# KiCad board GPDI_ULX3S_panel.kicad_pcb (continued)
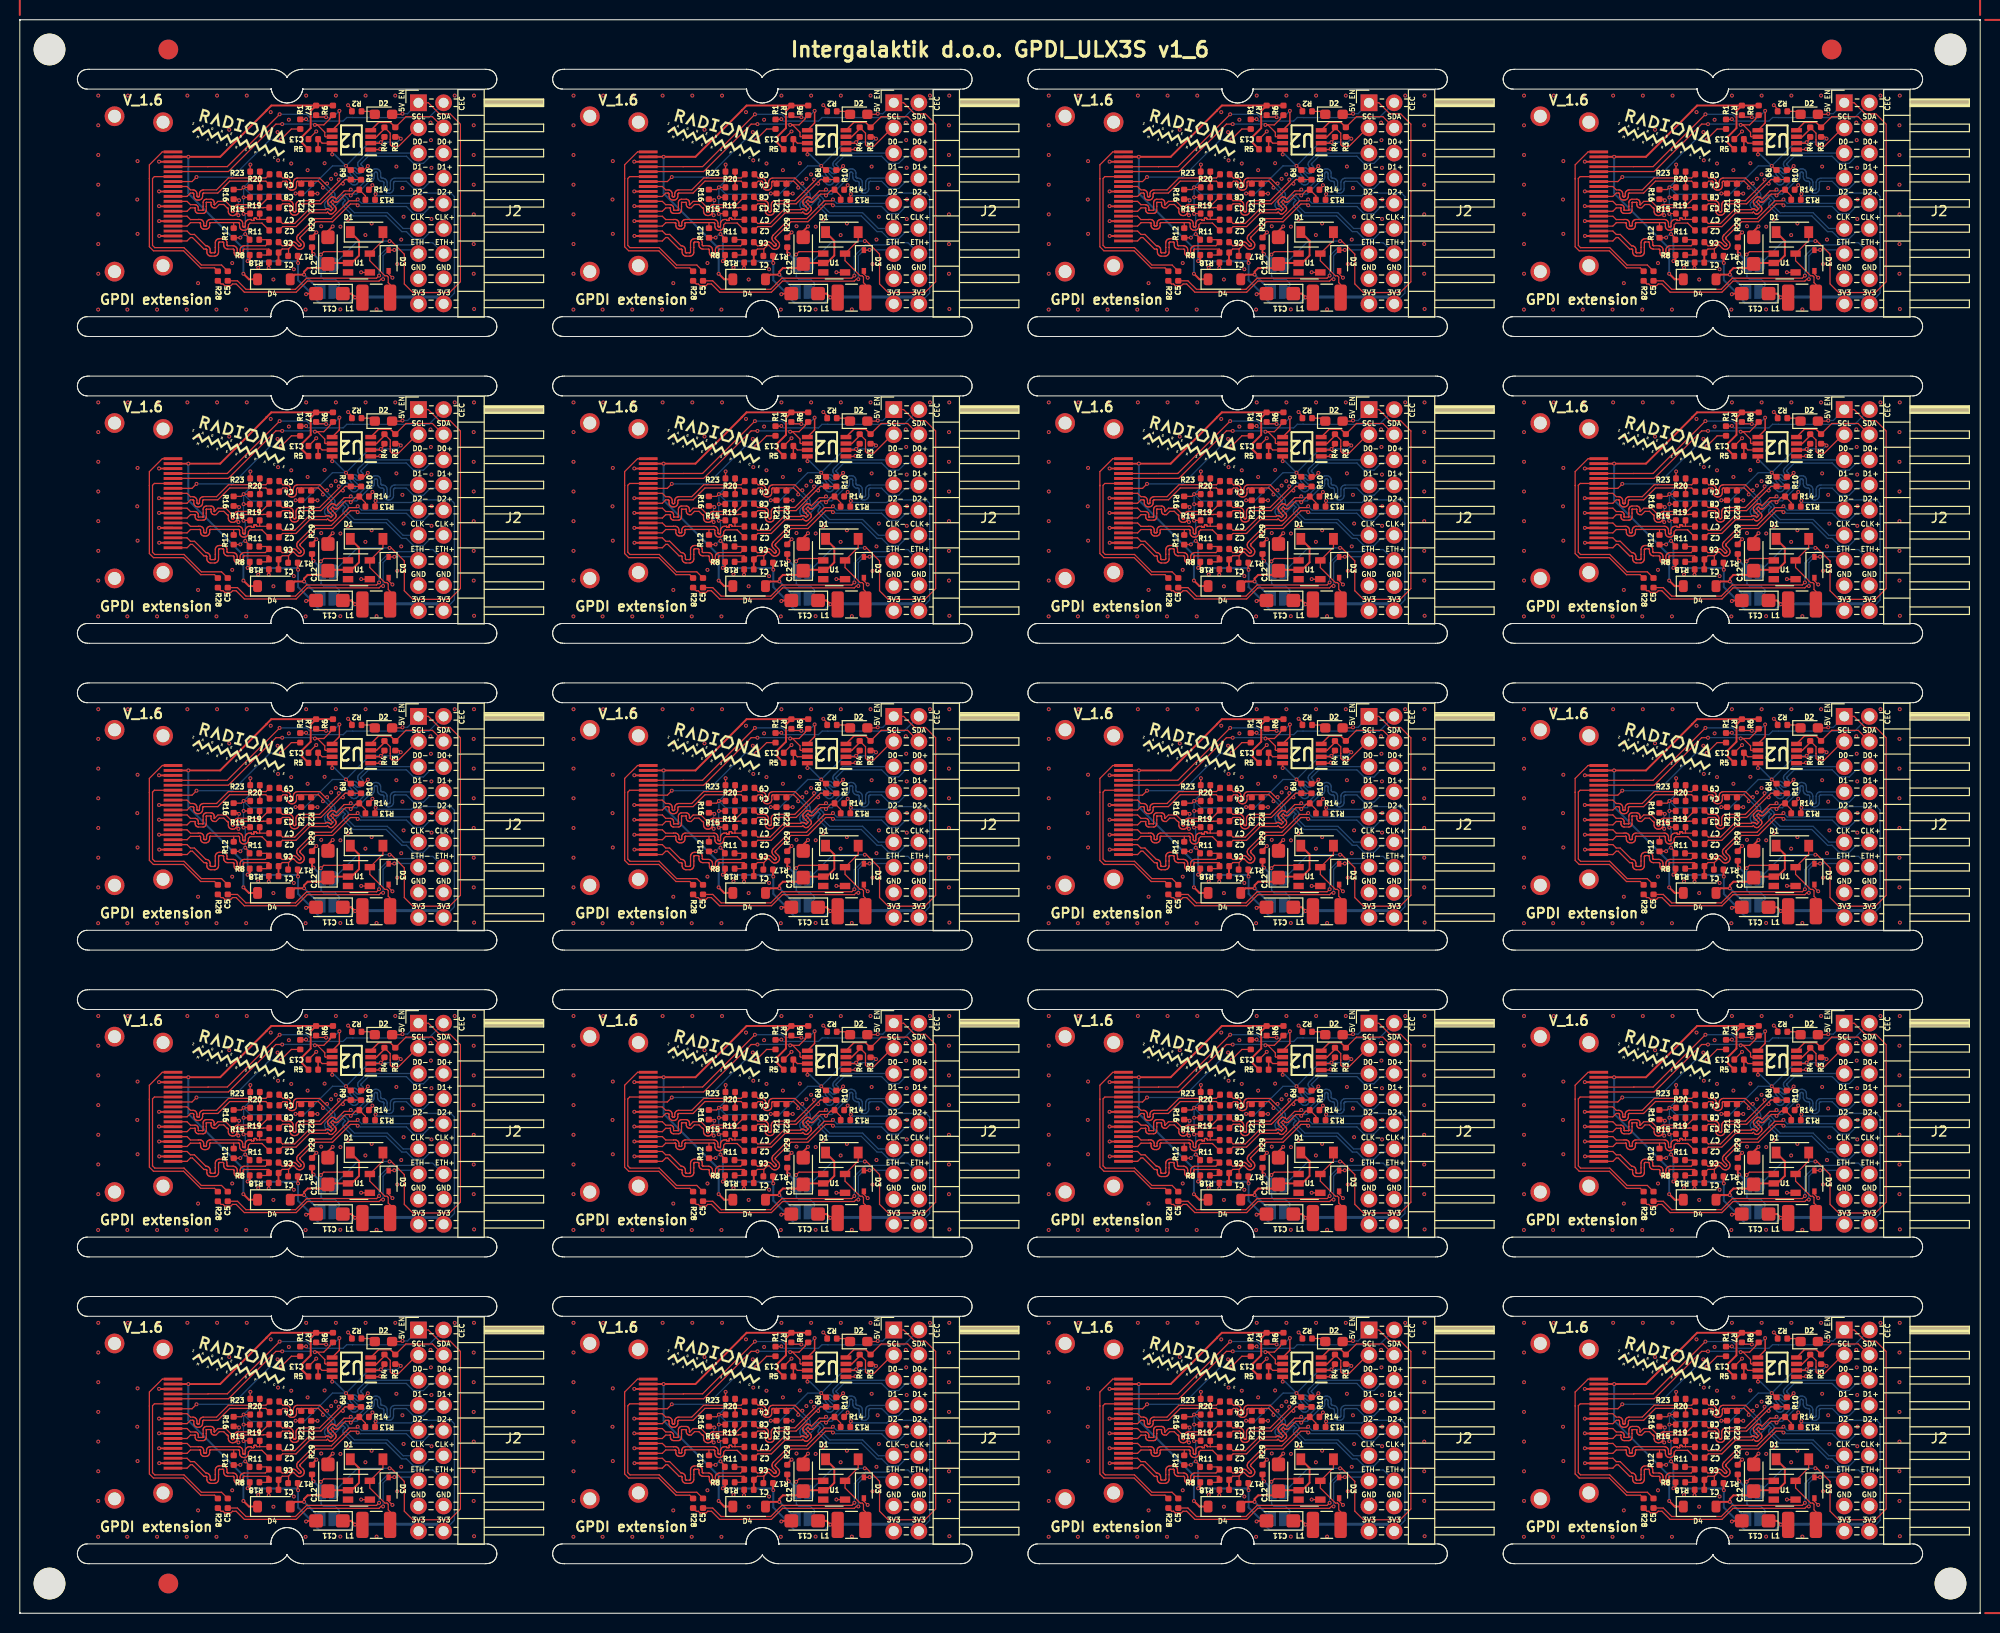
[diagram p0: board, top side]
## Placement (name value [footprint] x y rotation side) (continued)
G***#3  LOGO  [radiona-10mm]  166.29 118.45 345 top
G***#4  LOGO  [radiona-10mm]  118.29 56.45 345 top
G***#5  LOGO  [radiona-10mm]  118.29 118.45 345 top
G***#6  LOGO  [radiona-10mm]  22.29 149.45 345 top
G***#7  LOGO  [radiona-10mm]  70.29 56.45 345 top
G***#8  LOGO  [radiona-10mm]  22.29 25.45 345 top
G***#9  LOGO  [radiona-10mm]  70.29 25.45 345 top
G***#10  LOGO  [radiona-10mm]  166.29 87.45 345 top
G***#11  LOGO  [radiona-10mm]  22.29 87.45 345 top
G***#12  LOGO  [radiona-10mm]  118.29 87.45 345 top
G***#13  LOGO  [radiona-10mm]  22.29 56.45 345 top
G***#14  LOGO  [radiona-10mm]  70.29 87.45 345 top
G***#15  LOGO  [radiona-10mm]  166.29 149.45 345 top
G***#16  LOGO  [radiona-10mm]  118.29 25.45 345 top
G***#17  LOGO  [radiona-10mm]  70.29 118.45 345 top
G***#18  LOGO  [radiona-10mm]  22.29 118.45 345 top
G***#19  LOGO  [radiona-10mm]  118.29 149.45 345 top
G***#20  LOGO  [radiona-10mm]  166.29 25.45 345 top
G***#21  LOGO  [radiona-10mm]  60.29 143.12 255 bottom
G***#22  LOGO  [intergalaktik]  68.18 102.93 0 bottom
G***#23  LOGO  [radiona-10mm]  60.29 50.12 255 bottom
G***#24  LOGO  [OSH_10x10]  177.51 146.34 300 bottom
G***#25  LOGO  [OSH_10x10]  81.51 22.34 300 bottom
G***#26  LOGO  [radiona-10mm]  12.29 143.12 255 bottom
G***#27  LOGO  [intergalaktik]  116.18 133.93 0 bottom
G***#28  LOGO  [OSH_10x10]  33.51 22.34 300 bottom
G***#29  LOGO  [OSH_10x10]  129.51 84.34 300 bottom
G***#30  LOGO  [shutleworth-12mm]  71.36 15.28 345 bottom
G***#31  LOGO  [radiona-10mm]  156.29 19.12 255 bottom
G***#32  LOGO  [OSH_10x10]  33.51 84.34 300 bottom
G***#33  LOGO  [radiona-10mm]  12.29 112.12 255 bottom
G***#34  LOGO  [intergalaktik]  20.18 102.93 0 bottom
G***#35  LOGO  [OSH_10x10]  177.51 115.34 300 bottom
G***#36  LOGO  [intergalaktik]  20.18 40.93 0 bottom
G***#37  LOGO  [shutleworth-12mm]  119.36 108.28 345 bottom
G***#38  LOGO  [intergalaktik]  164.18 102.93 0 bottom
G***#39  LOGO  [OSH_10x10]  81.51 53.34 300 bottom
G***#40  LOGO  [radiona-10mm]  108.29 50.12 255 bottom
G***#41  LOGO  [radiona-10mm]  156.29 81.12 255 bottom
G***#42  LOGO  [OSH_10x10]  177.51 84.34 300 bottom
G***#43  LOGO  [OSH_10x10]  129.51 146.34 300 bottom
G***#44  LOGO  [intergalaktik]  20.18 71.93 0 bottom
G***#45  LOGO  [shutleworth-12mm]  23.36 77.28 345 bottom
G***#46  LOGO  [shutleworth-12mm]  71.36 77.28 345 bottom
G***#47  LOGO  [shutleworth-12mm]  23.36 46.28 345 bottom
G***#48  LOGO  [intergalaktik]  116.18 71.93 0 bottom
G***#49  LOGO  [radiona-10mm]  60.29 81.12 255 bottom
G***#50  LOGO  [shutleworth-12mm]  23.36 15.28 345 bottom
G***#51  LOGO  [radiona-10mm]  108.29 112.12 255 bottom
G***#52  LOGO  [shutleworth-12mm]  167.36 108.28 345 bottom
G***#53  LOGO  [intergalaktik]  20.18 133.93 0 bottom
G***#54  LOGO  [OSH_10x10]  129.51 53.34 300 bottom
G***#55  LOGO  [shutleworth-12mm]  119.36 46.28 345 bottom
G***#56  LOGO  [OSH_10x10]  129.51 115.34 300 bottom
G***#57  LOGO  [radiona-10mm]  108.29 143.12 255 bottom
G***#58  LOGO  [intergalaktik]  68.18 40.93 0 bottom
G***#59  LOGO  [shutleworth-12mm]  167.36 15.28 345 bottom
G***#60  LOGO  [intergalaktik]  164.18 9.93 0 bottom
G***#61  LOGO  [OSH_10x10]  81.51 115.34 300 bottom
G***#62  LOGO  [shutleworth-12mm]  167.36 77.28 345 bottom
G***#63  LOGO  [intergalaktik]  116.18 40.93 0 bottom
G***#64  LOGO  [intergalaktik]  68.18 71.93 0 bottom
G***#65  LOGO  [shutleworth-12mm]  71.36 46.28 345 bottom
G***#66  LOGO  [radiona-10mm]  12.29 81.12 255 bottom
G***#67  LOGO  [OSH_10x10]  33.51 146.34 300 bottom
G***#68  LOGO  [OSH_10x10]  129.51 22.34 300 bottom
G***#69  LOGO  [radiona-10mm]  156.29 143.12 255 bottom
G***#70  LOGO  [OSH_10x10]  33.51 115.34 300 bottom
G***#71  LOGO  [radiona-10mm]  156.29 50.12 255 bottom
G***#72  LOGO  [shutleworth-12mm]  167.36 46.28 345 bottom
G***#73  LOGO  [shutleworth-12mm]  71.36 139.28 345 bottom
G***#74  LOGO  [shutleworth-12mm]  71.36 108.28 345 bottom
G***#75  LOGO  [OSH_10x10]  33.51 53.34 300 bottom
G***#76  LOGO  [shutleworth-12mm]  119.36 15.28 345 bottom
G***#77  LOGO  [radiona-10mm]  12.29 50.12 255 bottom
G***#78  LOGO  [shutleworth-12mm]  23.36 139.28 345 bottom
G***#79  LOGO  [radiona-10mm]  156.29 112.12 255 bottom
G***#80  LOGO  [intergalaktik]  164.18 40.93 0 bottom
G***#81  LOGO  [intergalaktik]  68.18 9.93 0 bottom
G***#82  LOGO  [OSH_10x10]  81.51 146.34 300 bottom
G***#83  LOGO  [intergalaktik]  20.18 9.93 0 bottom
G***#84  LOGO  [OSH_10x10]  177.51 53.34 300 bottom
G***#85  LOGO  [intergalaktik]  116.18 102.93 0 bottom
G***#86  LOGO  [shutleworth-12mm]  167.36 139.28 345 bottom
G***#87  LOGO  [shutleworth-12mm]  23.36 108.28 345 bottom
G***#88  LOGO  [radiona-10mm]  60.29 19.12 255 bottom
G***#89  LOGO  [shutleworth-12mm]  119.36 77.28 345 bottom
G***#90  LOGO  [shutleworth-12mm]  119.36 139.28 345 bottom
G***#91  LOGO  [radiona-10mm]  108.29 81.12 255 bottom
G***#92  LOGO  [radiona-10mm]  108.29 19.12 255 bottom
G***#93  LOGO  [OSH_10x10]  177.51 22.34 300 bottom
G***#94  LOGO  [radiona-10mm]  60.29 112.12 255 bottom
G***#95  LOGO  [intergalaktik]  164.18 71.93 0 bottom
G***#96  LOGO  [intergalaktik]  116.18 9.93 0 bottom
G***#97  LOGO  [OSH_10x10]  81.51 84.34 300 bottom
G***#98  LOGO  [intergalaktik]  164.18 133.93 0 bottom
G***#99  LOGO  [radiona-10mm]  12.29 19.12 255 bottom
G***#100  LOGO  [intergalaktik]  68.18 133.93 0 bottom
J2  CONN  [PinHeader_2x09_P2.54mm_Horizontal]  88.26 90.61 0 top
J2#2  CONN  [PinHeader_2x09_P2.54mm_Horizontal]  184.26 28.62 0 top
J2#3  CONN  [PinHeader_2x09_P2.54mm_Horizontal]  88.26 59.62 0 top
J2#4  CONN  [PinHeader_2x09_P2.54mm_Horizontal]  40.26 28.62 0 top
J2#5  CONN  [PinHeader_2x09_P2.54mm_Horizontal]  136.26 121.61 0 top
J2#6  CONN  [PinHeader_2x09_P2.54mm_Horizontal]  88.26 121.61 0 top
J2#7  CONN  [PinHeader_2x09_P2.54mm_Horizontal]  40.26 90.61 0 top
J2#8  CONN  [PinHeader_2x09_P2.54mm_Horizontal]  184.26 152.62 0 top
J2#9  CONN  [PinHeader_2x09_P2.54mm_Horizontal]  40.26 152.62 0 top
J2#10  CONN  [PinHeader_2x09_P2.54mm_Horizontal]  136.26 28.62 0 top
J2#11  CONN  [PinHeader_2x09_P2.54mm_Horizontal]  136.26 59.62 0 top
J2#12  CONN  [PinHeader_2x09_P2.54mm_Horizontal]  184.26 90.61 0 top
J2#13  CONN  [PinHeader_2x09_P2.54mm_Horizontal]  136.26 90.61 0 top
J2#14  CONN  [PinHeader_2x09_P2.54mm_Horizontal]  40.26 59.62 0 top
J2#15  CONN  [PinHeader_2x09_P2.54mm_Horizontal]  184.26 59.62 0 top
J2#16  CONN  [PinHeader_2x09_P2.54mm_Horizontal]  88.26 152.62 0 top
J2#17  CONN  [PinHeader_2x09_P2.54mm_Horizontal]  184.26 121.61 0 top
J2#18  CONN  [PinHeader_2x09_P2.54mm_Horizontal]  40.26 121.61 0 top
J2#19  CONN  [PinHeader_2x09_P2.54mm_Horizontal]  136.26 152.62 0 top
J2#20  CONN  [PinHeader_2x09_P2.54mm_Horizontal]  88.26 28.62 0 top
JP1  SJB  [SolderJumper-2_P1.3mm_Bridged_RoundedPad1.0x1.5mm]  175.07 136.25 180 bottom
JP1#2  SJB  [SolderJumper-2_P1.3mm_Bridged_RoundedPad1.0x1.5mm]  31.07 136.25 180 bottom
JP1#3  SJB  [SolderJumper-2_P1.3mm_Bridged_RoundedPad1.0x1.5mm]  79.07 136.25 180 bottom
JP1#4  SJB  [SolderJumper-2_P1.3mm_Bridged_RoundedPad1.0x1.5mm]  175.07 105.25 180 bottom
JP1#5  SJB  [SolderJumper-2_P1.3mm_Bridged_RoundedPad1.0x1.5mm]  79.07 74.25 180 bottom
JP1#6  SJB  [SolderJumper-2_P1.3mm_Bridged_RoundedPad1.0x1.5mm]  127.07 136.25 180 bottom
JP1#7  SJB  [SolderJumper-2_P1.3mm_Bridged_RoundedPad1.0x1.5mm]  79.07 43.25 180 bottom
JP1#8  SJB  [SolderJumper-2_P1.3mm_Bridged_RoundedPad1.0x1.5mm]  175.07 12.25 180 bottom
JP1#9  SJB  [SolderJumper-2_P1.3mm_Bridged_RoundedPad1.0x1.5mm]  127.07 74.25 180 bottom
JP1#10  SJB  [SolderJumper-2_P1.3mm_Bridged_RoundedPad1.0x1.5mm]  79.07 105.25 180 bottom
JP1#11  SJB  [SolderJumper-2_P1.3mm_Bridged_RoundedPad1.0x1.5mm]  127.07 12.25 180 bottom
JP1#12  SJB  [SolderJumper-2_P1.3mm_Bridged_RoundedPad1.0x1.5mm]  31.07 105.25 180 bottom
JP1#13  SJB  [SolderJumper-2_P1.3mm_Bridged_RoundedPad1.0x1.5mm]  31.07 43.25 180 bottom
JP1#14  SJB  [SolderJumper-2_P1.3mm_Bridged_RoundedPad1.0x1.5mm]  31.07 12.25 180 bottom
JP1#15  SJB  [SolderJumper-2_P1.3mm_Bridged_RoundedPad1.0x1.5mm]  79.07 12.25 180 bottom
JP1#16  SJB  [SolderJumper-2_P1.3mm_Bridged_RoundedPad1.0x1.5mm]  175.07 43.25 180 bottom
JP1#17  SJB  [SolderJumper-2_P1.3mm_Bridged_RoundedPad1.0x1.5mm]  175.07 74.25 180 bottom
JP1#18  SJB  [SolderJumper-2_P1.3mm_Bridged_RoundedPad1.0x1.5mm]  31.07 74.25 180 bottom
JP1#19  SJB  [SolderJumper-2_P1.3mm_Bridged_RoundedPad1.0x1.5mm]  127.07 43.25 180 bottom
JP1#20  SJB  [SolderJumper-2_P1.3mm_Bridged_RoundedPad1.0x1.5mm]  127.07 105.25 180 bottom
JP2  SJO  [SolderJumper-2_P1.3mm_Open_RoundedPad1.0x1.5mm]  79.02 102.55 0 bottom
JP2#2  SJO  [SolderJumper-2_P1.3mm_Open_RoundedPad1.0x1.5mm]  175.02 102.55 0 bottom
JP2#3  SJO  [SolderJumper-2_P1.3mm_Open_RoundedPad1.0x1.5mm]  175.02 40.55 0 bottom
JP2#4  SJO  [SolderJumper-2_P1.3mm_Open_RoundedPad1.0x1.5mm]  79.02 9.55 0 bottom
JP2#5  SJO  [SolderJumper-2_P1.3mm_Open_RoundedPad1.0x1.5mm]  175.02 133.55 0 bottom
JP2#6  SJO  [SolderJumper-2_P1.3mm_Open_RoundedPad1.0x1.5mm]  79.02 133.55 0 bottom
JP2#7  SJO  [SolderJumper-2_P1.3mm_Open_RoundedPad1.0x1.5mm]  79.02 71.55 0 bottom
JP2#8  SJO  [SolderJumper-2_P1.3mm_Open_RoundedPad1.0x1.5mm]  79.02 40.55 0 bottom
JP2#9  SJO  [SolderJumper-2_P1.3mm_Open_RoundedPad1.0x1.5mm]  127.02 40.55 0 bottom
JP2#10  SJO  [SolderJumper-2_P1.3mm_Open_RoundedPad1.0x1.5mm]  127.02 9.55 0 bottom
JP2#11  SJO  [SolderJumper-2_P1.3mm_Open_RoundedPad1.0x1.5mm]  175.02 71.55 0 bottom
JP2#12  SJO  [SolderJumper-2_P1.3mm_Open_RoundedPad1.0x1.5mm]  31.02 40.55 0 bottom
JP2#13  SJO  [SolderJumper-2_P1.3mm_Open_RoundedPad1.0x1.5mm]  127.02 71.55 0 bottom
JP2#14  SJO  [SolderJumper-2_P1.3mm_Open_RoundedPad1.0x1.5mm]  175.02 9.55 0 bottom
JP2#15  SJO  [SolderJumper-2_P1.3mm_Open_RoundedPad1.0x1.5mm]  127.02 133.55 0 bottom
JP2#16  SJO  [SolderJumper-2_P1.3mm_Open_RoundedPad1.0x1.5mm]  31.02 71.55 0 bottom
JP2#17  SJO  [SolderJumper-2_P1.3mm_Open_RoundedPad1.0x1.5mm]  31.02 9.55 0 bottom
JP2#18  SJO  [SolderJumper-2_P1.3mm_Open_RoundedPad1.0x1.5mm]  31.02 102.55 0 bottom
JP2#19  SJO  [SolderJumper-2_P1.3mm_Open_RoundedPad1.0x1.5mm]  127.02 102.55 0 bottom
JP2#20  SJO  [SolderJumper-2_P1.3mm_Open_RoundedPad1.0x1.5mm]  31.02 133.55 0 bottom
KiKit_FID_B_1  -  [Fiducial]  15 158 0 bottom
KiKit_FID_B_2  -  [Fiducial]  182.99 158 0 bottom
KiKit_FID_B_3  -  [Fiducial]  15 3 0 bottom
KiKit_FID_T_1  -  [Fiducial]  15 158 0 top
KiKit_FID_T_2  -  [Fiducial]  182.99 158 0 top
KiKit_FID_T_3  -  [Fiducial]  15 3 0 top
KiKit_TO_1  -  [NPTH]  3 158 0 top
KiKit_TO_2  -  [NPTH]  194.99 158 0 top
KiKit_TO_3  -  [NPTH]  3 3 0 top
KiKit_TO_4  -  [NPTH]  194.99 3 0 top
L1  100u  [L_1210_3225Metric]  180 39.93 0 top
L1#2  100u  [L_1210_3225Metric]  180 8.93 0 top
L1#3  100u  [L_1210_3225Metric]  180 132.93 0 top
L1#4  100u  [L_1210_3225Metric]  84 39.93 0 top
L1#5  100u  [L_1210_3225Metric]  180 70.93 0 top
L1#6  100u  [L_1210_3225Metric]  36 70.93 0 top
L1#7  100u  [L_1210_3225Metric]  180 101.92 0 top
L1#8  100u  [L_1210_3225Metric]  84 8.93 0 top
L1#9  100u  [L_1210_3225Metric]  132 101.92 0 top
L1#10  100u  [L_1210_3225Metric]  132 70.93 0 top
L1#11  100u  [L_1210_3225Metric]  132 8.93 0 top
L1#12  100u  [L_1210_3225Metric]  36 39.93 0 top
L1#13  100u  [L_1210_3225Metric]  84 70.93 0 top
L1#14  100u  [L_1210_3225Metric]  36 8.93 0 top
L1#15  100u  [L_1210_3225Metric]  84 132.93 0 top
L1#16  100u  [L_1210_3225Metric]  132 132.93 0 top
L1#17  100u  [L_1210_3225Metric]  132 39.93 0 top
L1#18  100u  [L_1210_3225Metric]  36 132.93 0 top
L1#19  100u  [L_1210_3225Metric]  84 101.92 0 top
L1#20  100u  [L_1210_3225Metric]  36 101.92 0 top
P1  GPDI  [CONN-10029449-111RLF]  62.47 143.4 270 top
P1#2  GPDI  [CONN-10029449-111RLF]  110.47 143.4 270 top
P1#3  GPDI  [CONN-10029449-111RLF]  62.47 81.4 270 top
P1#4  GPDI  [CONN-10029449-111RLF]  62.47 112.4 270 top
P1#5  GPDI  [CONN-10029449-111RLF]  14.47 143.4 270 top
P1#6  GPDI  [CONN-10029449-111RLF]  158.47 143.4 270 top
P1#7  GPDI  [CONN-10029449-111RLF]  62.47 50.4 270 top
P1#8  GPDI  [CONN-10029449-111RLF]  158.47 81.4 270 top
P1#9  GPDI  [CONN-10029449-111RLF]  158.47 50.4 270 top
P1#10  GPDI  [CONN-10029449-111RLF]  110.47 112.4 270 top
P1#11  GPDI  [CONN-10029449-111RLF]  14.47 81.4 270 top
P1#12  GPDI  [CONN-10029449-111RLF]  14.47 112.4 270 top
P1#13  GPDI  [CONN-10029449-111RLF]  158.47 112.4 270 top
P1#14  GPDI  [CONN-10029449-111RLF]  110.47 81.4 270 top
P1#15  GPDI  [CONN-10029449-111RLF]  62.47 19.4 270 top
P1#16  GPDI  [CONN-10029449-111RLF]  158.47 19.4 270 top
P1#17  GPDI  [CONN-10029449-111RLF]  14.47 50.4 270 top
P1#18  GPDI  [CONN-10029449-111RLF]  14.47 19.4 270 top
P1#19  GPDI  [CONN-10029449-111RLF]  110.47 50.4 270 top
P1#20  GPDI  [CONN-10029449-111RLF]  110.47 19.4 270 top
R1  510  [R_0402_1005Metric]  124.32 119.45 90 top
R1#2  510  [R_0402_1005Metric]  76.32 26.45 90 top
R1#3  510  [R_0402_1005Metric]  172.32 150.45 90 top
R1#4  510  [R_0402_1005Metric]  76.32 57.45 90 top
R1#5  510  [R_0402_1005Metric]  172.32 26.45 90 top
R1#6  510  [R_0402_1005Metric]  76.32 88.45 90 top
R1#7  510  [R_0402_1005Metric]  28.32 150.45 90 top
R1#8  510  [R_0402_1005Metric]  28.32 57.45 90 top
R1#9  510  [R_0402_1005Metric]  124.32 150.45 90 top
R1#10  510  [R_0402_1005Metric]  172.32 57.45 90 top
R1#11  510  [R_0402_1005Metric]  172.32 119.45 90 top
R1#12  510  [R_0402_1005Metric]  28.32 88.45 90 top
R1#13  510  [R_0402_1005Metric]  124.32 26.45 90 top
R1#14  510  [R_0402_1005Metric]  124.32 88.45 90 top
R1#15  510  [R_0402_1005Metric]  28.32 119.45 90 top
R1#16  510  [R_0402_1005Metric]  124.32 57.45 90 top
R1#17  510  [R_0402_1005Metric]  172.32 88.45 90 top
R1#18  510  [R_0402_1005Metric]  76.32 119.45 90 top
R1#19  510  [R_0402_1005Metric]  28.32 26.45 90 top
R1#20  510  [R_0402_1005Metric]  76.32 150.45 90 top
R2  4.7k  [R_0402_1005Metric]  82.02 120.75 180 top
R2#2  4.7k  [R_0402_1005Metric]  34.02 151.75 180 top
R2#3  4.7k  [R_0402_1005Metric]  178.02 58.75 180 top
R2#4  4.7k  [R_0402_1005Metric]  82.02 58.75 180 top
R2#5  4.7k  [R_0402_1005Metric]  34.02 89.75 180 top
R2#6  4.7k  [R_0402_1005Metric]  130.02 89.75 180 top
R2#7  4.7k  [R_0402_1005Metric]  82.02 151.75 180 top
R2#8  4.7k  [R_0402_1005Metric]  34.02 27.75 180 top
R2#9  4.7k  [R_0402_1005Metric]  178.02 89.75 180 top
R2#10  4.7k  [R_0402_1005Metric]  130.02 151.75 180 top
R2#11  4.7k  [R_0402_1005Metric]  178.02 120.75 180 top
R2#12  4.7k  [R_0402_1005Metric]  130.02 120.75 180 top
R2#13  4.7k  [R_0402_1005Metric]  130.02 58.75 180 top
R2#14  4.7k  [R_0402_1005Metric]  34.02 58.75 180 top
R2#15  4.7k  [R_0402_1005Metric]  178.02 151.75 180 top
R2#16  4.7k  [R_0402_1005Metric]  130.02 27.75 180 top
R2#17  4.7k  [R_0402_1005Metric]  82.02 89.75 180 top
R2#18  4.7k  [R_0402_1005Metric]  82.02 27.75 180 top
R2#19  4.7k  [R_0402_1005Metric]  178.02 27.75 180 top
R2#20  4.7k  [R_0402_1005Metric]  34.02 120.75 180 top
R3  3.3k  [R_0402_1005Metric]  181.92 149.65 90 top
R3#2  3.3k  [R_0402_1005Metric]  85.92 25.65 90 top
R3#3  3.3k  [R_0402_1005Metric]  133.92 56.65 90 top
R3#4  3.3k  [R_0402_1005Metric]  85.92 56.65 90 top
R3#5  3.3k  [R_0402_1005Metric]  85.92 118.65 90 top
R3#6  3.3k  [R_0402_1005Metric]  181.92 25.65 90 top
R3#7  3.3k  [R_0402_1005Metric]  85.92 87.65 90 top
R3#8  3.3k  [R_0402_1005Metric]  133.92 118.65 90 top
R3#9  3.3k  [R_0402_1005Metric]  181.92 118.65 90 top
R3#10  3.3k  [R_0402_1005Metric]  37.92 87.65 90 top
R3#11  3.3k  [R_0402_1005Metric]  133.92 149.65 90 top
R3#12  3.3k  [R_0402_1005Metric]  181.92 56.65 90 top
R3#13  3.3k  [R_0402_1005Metric]  85.92 149.65 90 top
R3#14  3.3k  [R_0402_1005Metric]  37.92 118.65 90 top
R3#15  3.3k  [R_0402_1005Metric]  181.92 87.65 90 top
R3#16  3.3k  [R_0402_1005Metric]  37.92 56.65 90 top
R3#17  3.3k  [R_0402_1005Metric]  133.92 87.65 90 top
R3#18  3.3k  [R_0402_1005Metric]  133.92 25.65 90 top
R3#19  3.3k  [R_0402_1005Metric]  37.92 25.65 90 top
R3#20  3.3k  [R_0402_1005Metric]  37.92 149.65 90 top
R4  3.3k  [R_0402_1005Metric]  180.82 25.65 90 top
R4#2  3.3k  [R_0402_1005Metric]  36.82 149.65 90 top
R4#3  3.3k  [R_0402_1005Metric]  180.82 118.65 90 top
R4#4  3.3k  [R_0402_1005Metric]  36.82 87.65 90 top
R4#5  3.3k  [R_0402_1005Metric]  84.82 56.65 90 top
R4#6  3.3k  [R_0402_1005Metric]  132.82 87.65 90 top
R4#7  3.3k  [R_0402_1005Metric]  132.82 149.65 90 top
R4#8  3.3k  [R_0402_1005Metric]  84.82 25.65 90 top
R4#9  3.3k  [R_0402_1005Metric]  132.82 118.65 90 top
R4#10  3.3k  [R_0402_1005Metric]  84.82 118.65 90 top
R4#11  3.3k  [R_0402_1005Metric]  132.82 56.65 90 top
R4#12  3.3k  [R_0402_1005Metric]  36.82 118.65 90 top
R4#13  3.3k  [R_0402_1005Metric]  84.82 87.65 90 top
R4#14  3.3k  [R_0402_1005Metric]  36.82 25.65 90 top
R4#15  3.3k  [R_0402_1005Metric]  132.82 25.65 90 top
R4#16  3.3k  [R_0402_1005Metric]  180.82 149.65 90 top
R4#17  3.3k  [R_0402_1005Metric]  36.82 56.65 90 top
R4#18  3.3k  [R_0402_1005Metric]  180.82 87.65 90 top
R4#19  3.3k  [R_0402_1005Metric]  180.82 56.65 90 top
R4#20  3.3k  [R_0402_1005Metric]  84.82 149.65 90 top
R5  100k  [R_0402_1005Metric]  125.64 116.92 0 top
R5#2  100k  [R_0402_1005Metric]  29.64 147.92 0 top
R5#3  100k  [R_0402_1005Metric]  173.64 23.92 0 top
R5#4  100k  [R_0402_1005Metric]  173.64 85.92 0 top
R5#5  100k  [R_0402_1005Metric]  125.64 23.92 0 top
R5#6  100k  [R_0402_1005Metric]  125.64 54.92 0 top
R5#7  100k  [R_0402_1005Metric]  77.64 85.92 0 top
R5#8  100k  [R_0402_1005Metric]  125.64 147.92 0 top
R5#9  100k  [R_0402_1005Metric]  173.64 147.92 0 top
R5#10  100k  [R_0402_1005Metric]  29.64 116.92 0 top
R5#11  100k  [R_0402_1005Metric]  173.64 54.92 0 top
R5#12  100k  [R_0402_1005Metric]  29.64 54.92 0 top
R5#13  100k  [R_0402_1005Metric]  77.64 116.92 0 top
R5#14  100k  [R_0402_1005Metric]  77.64 54.92 0 top
R5#15  100k  [R_0402_1005Metric]  77.64 147.92 0 top
R5#16  100k  [R_0402_1005Metric]  29.64 23.92 0 top
R5#17  100k  [R_0402_1005Metric]  125.64 85.92 0 top
R5#18  100k  [R_0402_1005Metric]  29.64 85.92 0 top
R5#19  100k  [R_0402_1005Metric]  77.64 23.92 0 top
R5#20  100k  [R_0402_1005Metric]  173.64 116.92 0 top
R6  4.7k  [R_0402_1005Metric]  127.62 120.85 270 top
R6#2  4.7k  [R_0402_1005Metric]  127.62 58.85 270 top
R6#3  4.7k  [R_0402_1005Metric]  79.62 120.85 270 top
R6#4  4.7k  [R_0402_1005Metric]  79.62 151.85 270 top
R6#5  4.7k  [R_0402_1005Metric]  127.62 151.85 270 top
R6#6  4.7k  [R_0402_1005Metric]  79.62 27.85 270 top
R6#7  4.7k  [R_0402_1005Metric]  175.62 89.85 270 top
R6#8  4.7k  [R_0402_1005Metric]  175.62 120.85 270 top
R6#9  4.7k  [R_0402_1005Metric]  175.62 151.85 270 top
R6#10  4.7k  [R_0402_1005Metric]  175.62 27.85 270 top
R6#11  4.7k  [R_0402_1005Metric]  31.62 89.85 270 top
R6#12  4.7k  [R_0402_1005Metric]  31.62 120.85 270 top
R6#13  4.7k  [R_0402_1005Metric]  31.62 58.85 270 top
R6#14  4.7k  [R_0402_1005Metric]  31.62 151.85 270 top
R6#15  4.7k  [R_0402_1005Metric]  127.62 27.85 270 top
R6#16  4.7k  [R_0402_1005Metric]  175.62 58.85 270 top
R6#17  4.7k  [R_0402_1005Metric]  31.62 27.85 270 top
R6#18  4.7k  [R_0402_1005Metric]  79.62 89.85 270 top
R6#19  4.7k  [R_0402_1005Metric]  79.62 58.85 270 top
R6#20  4.7k  [R_0402_1005Metric]  127.62 89.85 270 top
R7  4.7k  [R_0402_1005Metric]  173.92 151.85 270 top
R7#2  4.7k  [R_0402_1005Metric]  125.92 120.85 270 top
R7#3  4.7k  [R_0402_1005Metric]  125.92 151.85 270 top
R7#4  4.7k  [R_0402_1005Metric]  77.92 58.85 270 top
R7#5  4.7k  [R_0402_1005Metric]  173.92 89.85 270 top
R7#6  4.7k  [R_0402_1005Metric]  77.92 89.85 270 top
R7#7  4.7k  [R_0402_1005Metric]  173.92 58.85 270 top
R7#8  4.7k  [R_0402_1005Metric]  173.92 27.85 270 top
R7#9  4.7k  [R_0402_1005Metric]  125.92 58.85 270 top
R7#10  4.7k  [R_0402_1005Metric]  125.92 89.85 270 top
R7#11  4.7k  [R_0402_1005Metric]  29.92 27.85 270 top
R7#12  4.7k  [R_0402_1005Metric]  125.92 27.85 270 top
R7#13  4.7k  [R_0402_1005Metric]  29.92 120.85 270 top
R7#14  4.7k  [R_0402_1005Metric]  77.92 27.85 270 top
R7#15  4.7k  [R_0402_1005Metric]  77.92 120.85 270 top
R7#16  4.7k  [R_0402_1005Metric]  77.92 151.85 270 top
R7#17  4.7k  [R_0402_1005Metric]  173.92 120.85 270 top
R7#18  4.7k  [R_0402_1005Metric]  29.92 58.85 270 top
R7#19  4.7k  [R_0402_1005Metric]  29.92 89.85 270 top
R7#20  4.7k  [R_0402_1005Metric]  29.92 151.85 270 top
R8  50R  [R_0402_1005Metric]  23.71 137.23 0 top
R8#2  50R  [R_0402_1005Metric]  71.71 137.23 0 top
R8#3  50R  [R_0402_1005Metric]  71.71 44.23 0 top
R8#4  50R  [R_0402_1005Metric]  71.71 75.23 0 top
R8#5  50R  [R_0402_1005Metric]  23.71 13.23 0 top
R8#6  50R  [R_0402_1005Metric]  71.71 13.23 0 top
R8#7  50R  [R_0402_1005Metric]  23.71 75.23 0 top
R8#8  50R  [R_0402_1005Metric]  119.71 75.23 0 top
R8#9  50R  [R_0402_1005Metric]  119.71 137.23 0 top
R8#10  50R  [R_0402_1005Metric]  167.71 75.23 0 top
R8#11  50R  [R_0402_1005Metric]  23.71 44.23 0 top
R8#12  50R  [R_0402_1005Metric]  119.71 13.23 0 top
R8#13  50R  [R_0402_1005Metric]  167.71 44.23 0 top
R8#14  50R  [R_0402_1005Metric]  167.71 137.23 0 top
R8#15  50R  [R_0402_1005Metric]  71.71 106.23 0 top
R8#16  50R  [R_0402_1005Metric]  119.71 106.23 0 top
R8#17  50R  [R_0402_1005Metric]  167.71 106.23 0 top
R8#18  50R  [R_0402_1005Metric]  167.71 13.23 0 top
R8#19  50R  [R_0402_1005Metric]  23.71 106.23 0 top
R8#20  50R  [R_0402_1005Metric]  119.71 44.23 0 top
R9  10K  [R_0402_1005Metric]  129.43 114.34 270 top
R9#2  10K  [R_0402_1005Metric]  177.43 52.34 270 top
R9#3  10K  [R_0402_1005Metric]  177.43 21.34 270 top
R9#4  10K  [R_0402_1005Metric]  81.43 83.34 270 top
R9#5  10K  [R_0402_1005Metric]  33.43 83.34 270 top
R9#6  10K  [R_0402_1005Metric]  177.43 114.34 270 top
R9#7  10K  [R_0402_1005Metric]  33.43 114.34 270 top
R9#8  10K  [R_0402_1005Metric]  129.43 83.34 270 top
R9#9  10K  [R_0402_1005Metric]  81.43 21.34 270 top
R9#10  10K  [R_0402_1005Metric]  177.43 83.34 270 top
R9#11  10K  [R_0402_1005Metric]  129.43 145.34 270 top
R9#12  10K  [R_0402_1005Metric]  33.43 21.34 270 top
R9#13  10K  [R_0402_1005Metric]  81.43 114.34 270 top
R9#14  10K  [R_0402_1005Metric]  129.43 21.34 270 top
R9#15  10K  [R_0402_1005Metric]  33.43 52.34 270 top
R9#16  10K  [R_0402_1005Metric]  33.43 145.34 270 top
R9#17  10K  [R_0402_1005Metric]  81.43 52.34 270 top
R9#18  10K  [R_0402_1005Metric]  177.43 145.34 270 top
R9#19  10K  [R_0402_1005Metric]  129.43 52.34 270 top
R9#20  10K  [R_0402_1005Metric]  81.43 145.34 270 top
R10  10K  [R_0402_1005Metric]  34.46 52.33 90 top
R10#2  10K  [R_0402_1005Metric]  178.46 52.33 90 top
R10#3  10K  [R_0402_1005Metric]  130.46 52.33 90 top
R10#4  10K  [R_0402_1005Metric]  130.46 114.33 90 top
R10#5  10K  [R_0402_1005Metric]  82.46 21.33 90 top
R10#6  10K  [R_0402_1005Metric]  34.46 114.33 90 top
R10#7  10K  [R_0402_1005Metric]  82.46 83.33 90 top
R10#8  10K  [R_0402_1005Metric]  82.46 145.33 90 top
R10#9  10K  [R_0402_1005Metric]  178.46 145.33 90 top
R10#10  10K  [R_0402_1005Metric]  34.46 145.33 90 top
R10#11  10K  [R_0402_1005Metric]  130.46 83.33 90 top
R10#12  10K  [R_0402_1005Metric]  178.46 21.33 90 top
R10#13  10K  [R_0402_1005Metric]  82.46 114.33 90 top
R10#14  10K  [R_0402_1005Metric]  130.46 145.33 90 top
R10#15  10K  [R_0402_1005Metric]  178.46 83.33 90 top
R10#16  10K  [R_0402_1005Metric]  34.46 83.33 90 top
R10#17  10K  [R_0402_1005Metric]  34.46 21.33 90 top
R10#18  10K  [R_0402_1005Metric]  130.46 21.33 90 top
R10#19  10K  [R_0402_1005Metric]  178.46 114.33 90 top
R10#20  10K  [R_0402_1005Metric]  82.46 52.33 90 top
R11  50R  [R_0402_1005Metric]  23.7 14.78 0 top
R11#2  50R  [R_0402_1005Metric]  23.7 138.78 0 top
R11#3  50R  [R_0402_1005Metric]  167.69 107.78 0 top
R11#4  50R  [R_0402_1005Metric]  167.69 14.78 0 top
R11#5  50R  [R_0402_1005Metric]  167.69 76.78 0 top
R11#6  50R  [R_0402_1005Metric]  119.69 107.78 0 top
R11#7  50R  [R_0402_1005Metric]  167.69 45.78 0 top
R11#8  50R  [R_0402_1005Metric]  119.69 14.78 0 top
R11#9  50R  [R_0402_1005Metric]  71.69 138.78 0 top
R11#10  50R  [R_0402_1005Metric]  71.69 45.78 0 top
R11#11  50R  [R_0402_1005Metric]  119.69 76.78 0 top
R11#12  50R  [R_0402_1005Metric]  23.7 45.78 0 top
R11#13  50R  [R_0402_1005Metric]  119.69 138.78 0 top
R11#14  50R  [R_0402_1005Metric]  71.69 107.78 0 top
R11#15  50R  [R_0402_1005Metric]  71.69 14.78 0 top
R11#16  50R  [R_0402_1005Metric]  23.7 76.78 0 top
R11#17  50R  [R_0402_1005Metric]  167.69 138.78 0 top
R11#18  50R  [R_0402_1005Metric]  119.69 45.78 0 top
R11#19  50R  [R_0402_1005Metric]  23.7 107.78 0 top
R11#20  50R  [R_0402_1005Metric]  71.69 76.78 0 top
R12  50R  [R_0402_1005Metric]  117.6 77.46 90 top
R12#2  50R  [R_0402_1005Metric]  69.6 77.46 90 top
R12#3  50R  [R_0402_1005Metric]  21.6 77.46 90 top
R12#4  50R  [R_0402_1005Metric]  21.6 108.46 90 top
R12#5  50R  [R_0402_1005Metric]  69.6 15.46 90 top
R12#6  50R  [R_0402_1005Metric]  117.6 108.46 90 top
R12#7  50R  [R_0402_1005Metric]  69.6 108.46 90 top
R12#8  50R  [R_0402_1005Metric]  117.6 46.46 90 top
R12#9  50R  [R_0402_1005Metric]  21.6 46.46 90 top
R12#10  50R  [R_0402_1005Metric]  117.6 139.46 90 top
R12#11  50R  [R_0402_1005Metric]  165.6 46.46 90 top
R12#12  50R  [R_0402_1005Metric]  21.6 15.46 90 top
R12#13  50R  [R_0402_1005Metric]  69.6 46.46 90 top
R12#14  50R  [R_0402_1005Metric]  165.6 139.46 90 top
R12#15  50R  [R_0402_1005Metric]  165.6 77.46 90 top
R12#16  50R  [R_0402_1005Metric]  21.6 139.46 90 top
R12#17  50R  [R_0402_1005Metric]  165.6 108.46 90 top
R12#18  50R  [R_0402_1005Metric]  69.6 139.46 90 top
R12#19  50R  [R_0402_1005Metric]  117.6 15.46 90 top
R12#20  50R  [R_0402_1005Metric]  165.6 15.46 90 top
R13  10K  [R_0402_1005Metric]  131.39 142.82 180 top
R13#2  10K  [R_0402_1005Metric]  35.39 142.82 180 top
R13#3  10K  [R_0402_1005Metric]  179.39 18.82 180 top
R13#4  10K  [R_0402_1005Metric]  83.39 111.82 180 top
R13#5  10K  [R_0402_1005Metric]  131.39 49.82 180 top
R13#6  10K  [R_0402_1005Metric]  35.39 18.82 180 top
R13#7  10K  [R_0402_1005Metric]  83.39 49.82 180 top
R13#8  10K  [R_0402_1005Metric]  179.39 142.82 180 top
R13#9  10K  [R_0402_1005Metric]  83.39 142.82 180 top
R13#10  10K  [R_0402_1005Metric]  179.39 80.82 180 top
R13#11  10K  [R_0402_1005Metric]  35.39 111.82 180 top
R13#12  10K  [R_0402_1005Metric]  35.39 80.82 180 top
R13#13  10K  [R_0402_1005Metric]  179.39 111.82 180 top
R13#14  10K  [R_0402_1005Metric]  35.39 49.82 180 top
R13#15  10K  [R_0402_1005Metric]  131.39 80.82 180 top
R13#16  10K  [R_0402_1005Metric]  83.39 18.82 180 top
R13#17  10K  [R_0402_1005Metric]  83.39 80.82 180 top
R13#18  10K  [R_0402_1005Metric]  131.39 111.82 180 top
R13#19  10K  [R_0402_1005Metric]  179.39 49.82 180 top
R13#20  10K  [R_0402_1005Metric]  131.39 18.82 180 top
R14  10K  [R_0402_1005Metric]  130.77 19.83 0 top
R14#2  10K  [R_0402_1005Metric]  130.77 112.83 0 top
R14#3  10K  [R_0402_1005Metric]  82.77 143.83 0 top
R14#4  10K  [R_0402_1005Metric]  34.77 112.83 0 top
R14#5  10K  [R_0402_1005Metric]  178.77 19.83 0 top
R14#6  10K  [R_0402_1005Metric]  130.77 143.83 0 top
R14#7  10K  [R_0402_1005Metric]  34.77 50.83 0 top
R14#8  10K  [R_0402_1005Metric]  82.77 81.83 0 top
R14#9  10K  [R_0402_1005Metric]  34.77 19.83 0 top
R14#10  10K  [R_0402_1005Metric]  82.77 19.83 0 top
R14#11  10K  [R_0402_1005Metric]  178.77 143.83 0 top
R14#12  10K  [R_0402_1005Metric]  82.77 112.83 0 top
R14#13  10K  [R_0402_1005Metric]  130.77 50.83 0 top
R14#14  10K  [R_0402_1005Metric]  34.77 81.83 0 top
R14#15  10K  [R_0402_1005Metric]  34.77 143.83 0 top
R14#16  10K  [R_0402_1005Metric]  130.77 81.83 0 top
R14#17  10K  [R_0402_1005Metric]  178.77 112.83 0 top
R14#18  10K  [R_0402_1005Metric]  178.77 81.83 0 top
R14#19  10K  [R_0402_1005Metric]  178.77 50.83 0 top
R14#20  10K  [R_0402_1005Metric]  82.77 50.83 0 top
R15  50R  [R_0402_1005Metric]  71.74 141.42 0 top
R15#2  50R  [R_0402_1005Metric]  71.74 17.42 0 top
R15#3  50R  [R_0402_1005Metric]  119.74 79.42 0 top
R15#4  50R  [R_0402_1005Metric]  71.74 48.42 0 top
R15#5  50R  [R_0402_1005Metric]  119.74 141.42 0 top
R15#6  50R  [R_0402_1005Metric]  167.74 110.42 0 top
R15#7  50R  [R_0402_1005Metric]  71.74 110.42 0 top
R15#8  50R  [R_0402_1005Metric]  119.74 48.42 0 top
R15#9  50R  [R_0402_1005Metric]  23.74 141.42 0 top
R15#10  50R  [R_0402_1005Metric]  23.74 110.42 0 top
R15#11  50R  [R_0402_1005Metric]  23.74 17.42 0 top
R15#12  50R  [R_0402_1005Metric]  167.74 48.42 0 top
R15#13  50R  [R_0402_1005Metric]  119.74 110.42 0 top
R15#14  50R  [R_0402_1005Metric]  167.74 141.42 0 top
R15#15  50R  [R_0402_1005Metric]  119.74 17.42 0 top
R15#16  50R  [R_0402_1005Metric]  167.74 17.42 0 top
R15#17  50R  [R_0402_1005Metric]  23.74 48.42 0 top
R15#18  50R  [R_0402_1005Metric]  23.74 79.42 0 top
R15#19  50R  [R_0402_1005Metric]  71.74 79.42 0 top
R15#20  50R  [R_0402_1005Metric]  167.74 79.42 0 top
R16  50R  [R_0402_1005Metric]  69.59 81.36 270 top
R16#2  50R  [R_0402_1005Metric]  69.59 50.36 270 top
R16#3  50R  [R_0402_1005Metric]  69.59 143.36 270 top
R16#4  50R  [R_0402_1005Metric]  21.59 50.36 270 top
R16#5  50R  [R_0402_1005Metric]  21.59 112.36 270 top
R16#6  50R  [R_0402_1005Metric]  69.59 112.36 270 top
R16#7  50R  [R_0402_1005Metric]  117.59 50.36 270 top
R16#8  50R  [R_0402_1005Metric]  117.59 19.36 270 top
R16#9  50R  [R_0402_1005Metric]  21.59 19.36 270 top
R16#10  50R  [R_0402_1005Metric]  69.59 19.36 270 top
R16#11  50R  [R_0402_1005Metric]  21.59 143.36 270 top
R16#12  50R  [R_0402_1005Metric]  165.59 50.36 270 top
R16#13  50R  [R_0402_1005Metric]  165.59 112.36 270 top
R16#14  50R  [R_0402_1005Metric]  165.59 81.36 270 top
R16#15  50R  [R_0402_1005Metric]  165.59 19.36 270 top
R16#16  50R  [R_0402_1005Metric]  165.59 143.36 270 top
R16#17  50R  [R_0402_1005Metric]  21.59 81.36 270 top
R16#18  50R  [R_0402_1005Metric]  117.59 81.36 270 top
R16#19  50R  [R_0402_1005Metric]  117.59 143.36 270 top
R16#20  50R  [R_0402_1005Metric]  117.59 112.36 270 top
R17  10K  [R_0402_1005Metric]  171.58 13.14 180 top
R17#2  10K  [R_0402_1005Metric]  171.58 75.14 180 top
R17#3  10K  [R_0402_1005Metric]  27.58 13.14 180 top
R17#4  10K  [R_0402_1005Metric]  123.58 75.14 180 top
R17#5  10K  [R_0402_1005Metric]  75.58 75.14 180 top
R17#6  10K  [R_0402_1005Metric]  123.58 13.14 180 top
R17#7  10K  [R_0402_1005Metric]  171.58 137.14 180 top
R17#8  10K  [R_0402_1005Metric]  27.58 137.14 180 top
R17#9  10K  [R_0402_1005Metric]  123.58 44.14 180 top
R17#10  10K  [R_0402_1005Metric]  123.58 137.14 180 top
R17#11  10K  [R_0402_1005Metric]  75.58 44.14 180 top
R17#12  10K  [R_0402_1005Metric]  75.58 137.14 180 top
R17#13  10K  [R_0402_1005Metric]  27.58 75.14 180 top
R17#14  10K  [R_0402_1005Metric]  27.58 44.14 180 top
R17#15  10K  [R_0402_1005Metric]  27.58 106.14 180 top
R17#16  10K  [R_0402_1005Metric]  75.58 13.14 180 top
R17#17  10K  [R_0402_1005Metric]  171.58 44.14 180 top
R17#18  10K  [R_0402_1005Metric]  171.58 106.14 180 top
R17#19  10K  [R_0402_1005Metric]  75.58 106.14 180 top
R17#20  10K  [R_0402_1005Metric]  123.58 106.14 180 top
R18  10K  [R_0402_1005Metric]  25.64 43.47 180 top
R18#2  10K  [R_0402_1005Metric]  25.64 12.47 180 top
R18#3  10K  [R_0402_1005Metric]  73.64 105.47 180 top
R18#4  10K  [R_0402_1005Metric]  169.64 105.47 180 top
R18#5  10K  [R_0402_1005Metric]  121.64 43.47 180 top
R18#6  10K  [R_0402_1005Metric]  25.64 105.47 180 top
R18#7  10K  [R_0402_1005Metric]  169.64 43.47 180 top
R18#8  10K  [R_0402_1005Metric]  169.64 12.47 180 top
R18#9  10K  [R_0402_1005Metric]  121.64 136.47 180 top
R18#10  10K  [R_0402_1005Metric]  121.64 12.47 180 top
R18#11  10K  [R_0402_1005Metric]  121.64 105.47 180 top
R18#12  10K  [R_0402_1005Metric]  121.64 74.47 180 top
R18#13  10K  [R_0402_1005Metric]  73.64 43.47 180 top
R18#14  10K  [R_0402_1005Metric]  25.64 74.47 180 top
R18#15  10K  [R_0402_1005Metric]  169.64 74.47 180 top
